# Altium PCB PCB_Amplifier.PcbDoc (part 1 of 2)
Units mm, origin at the board's own origin, x right, y up, seen from the top; angles counter-clockwise.
Board outline 88.51 x 102.08 mm, 4 copper layers (Top Layer, GND, VDD, Bottom Layer); 234 components, 166 nets, 733 pads, 363 vias.
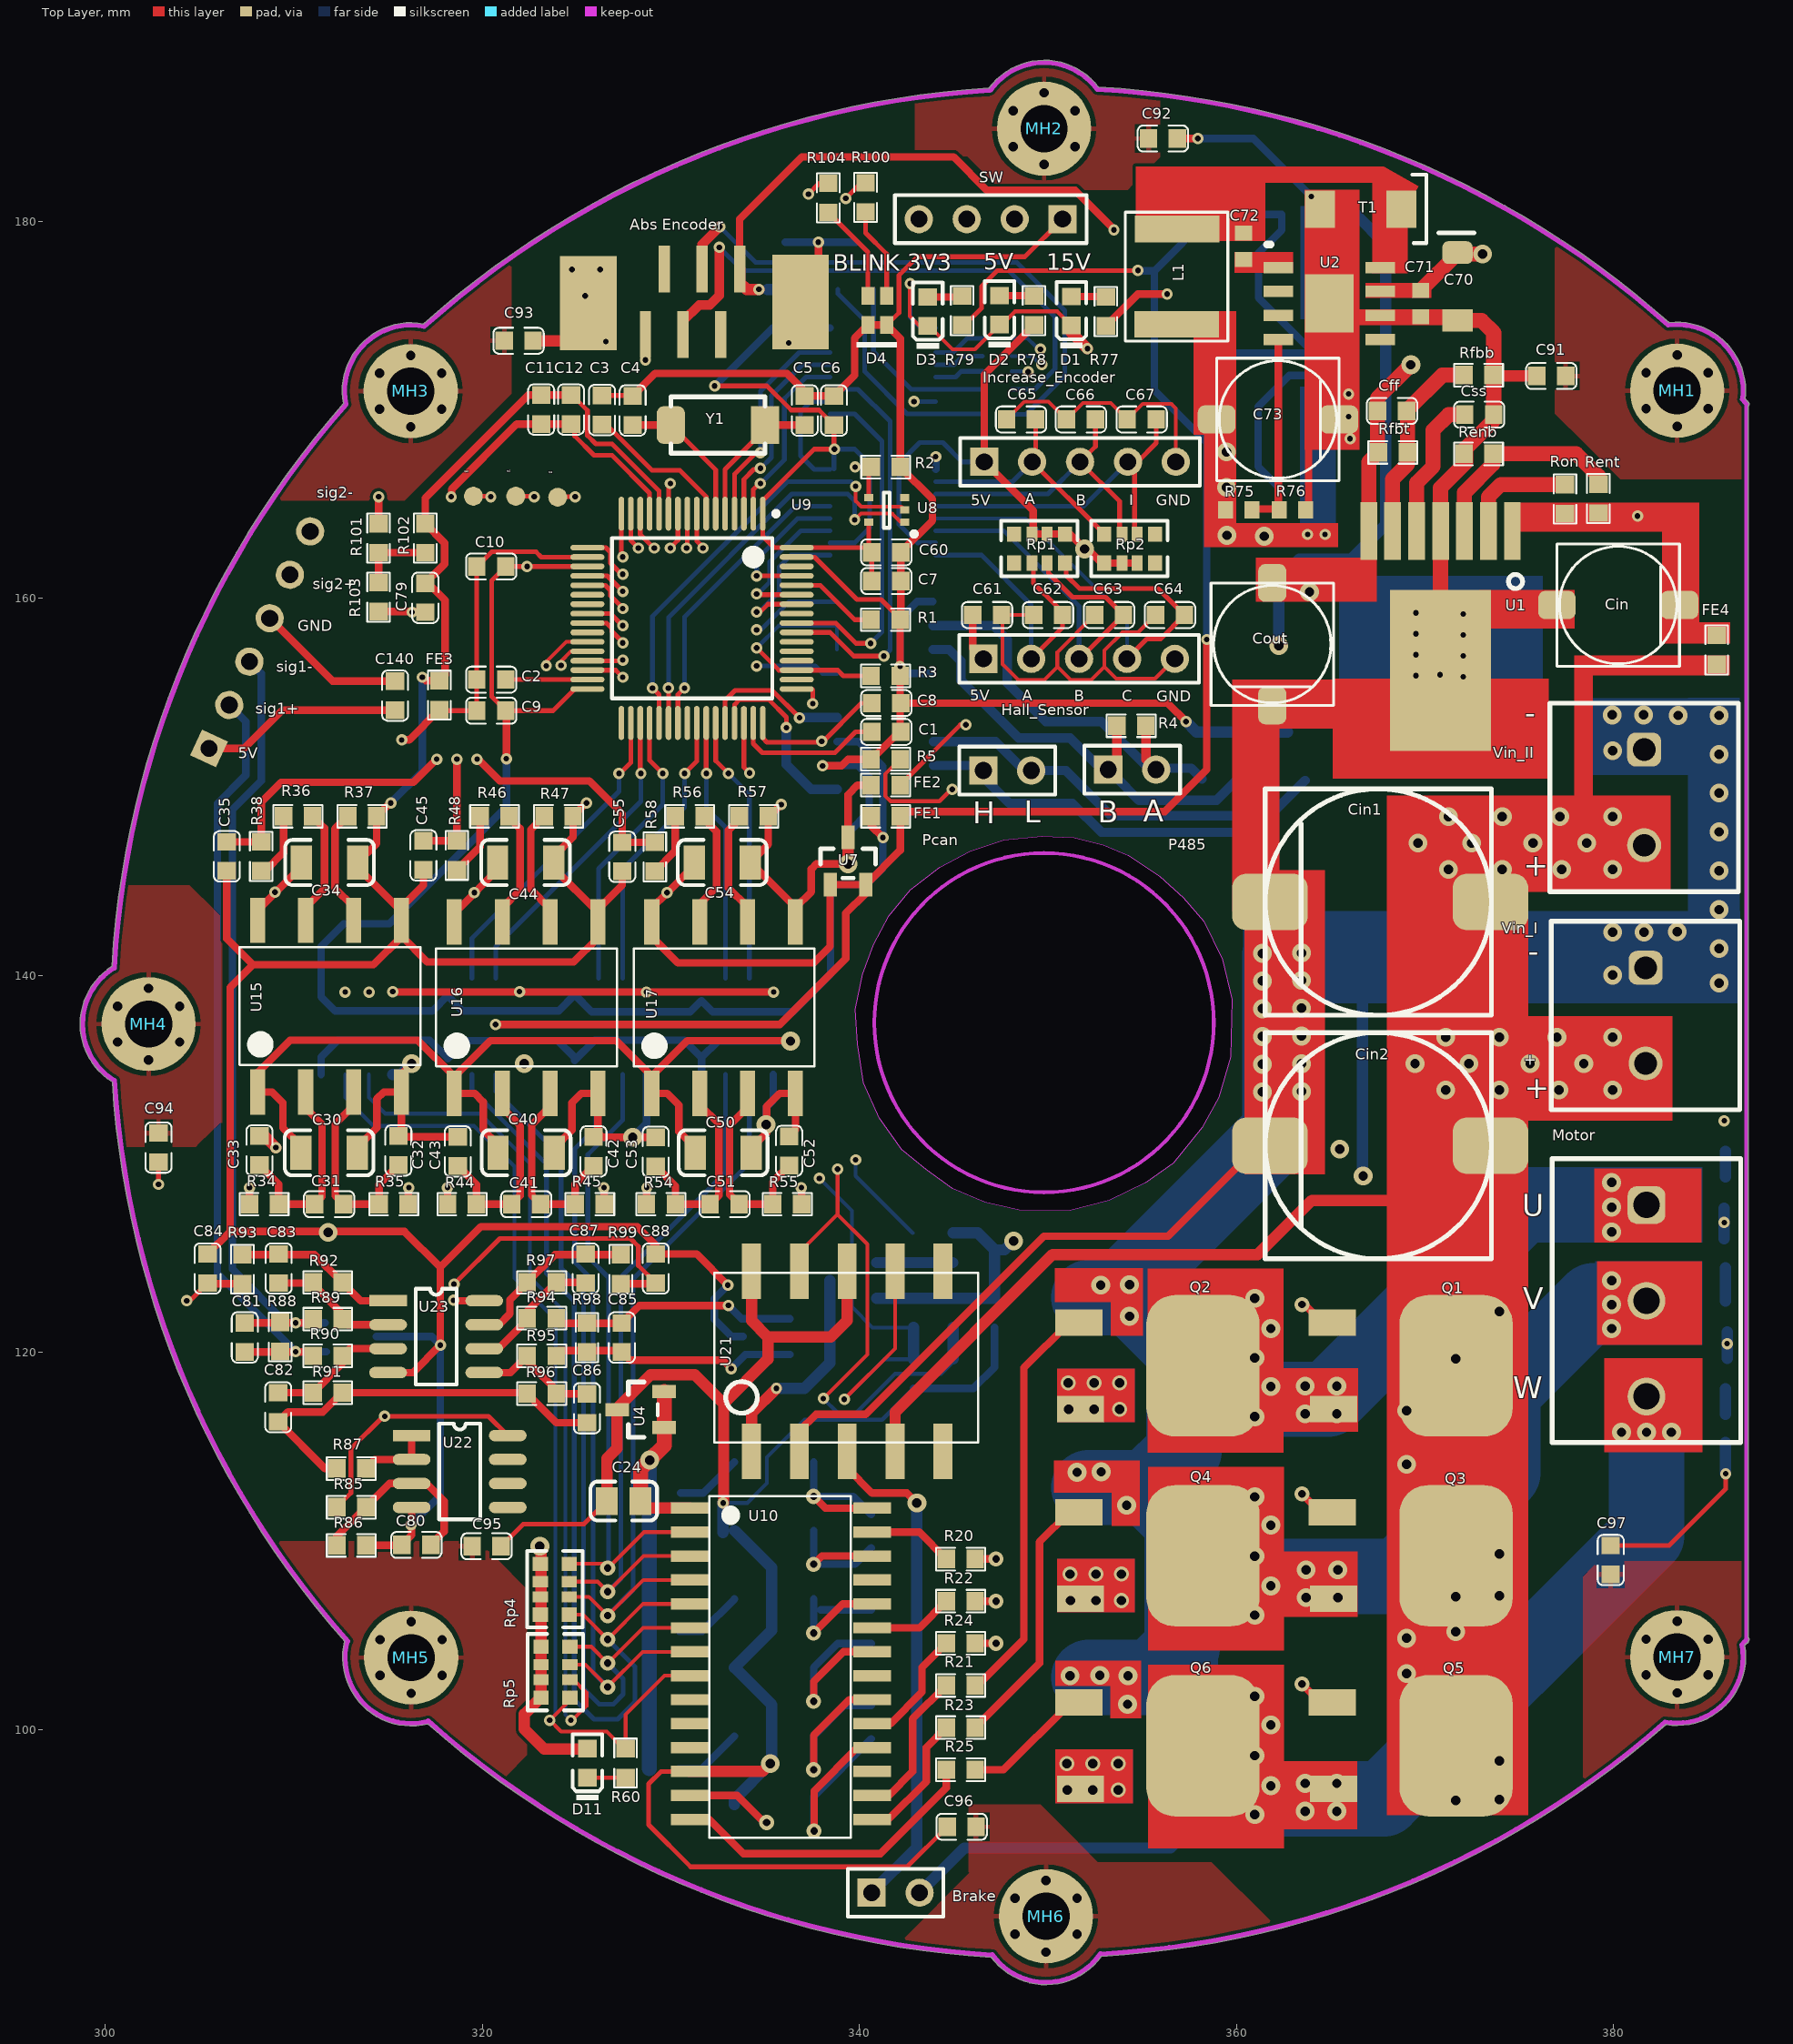
[diagram p0: Top Layer view]
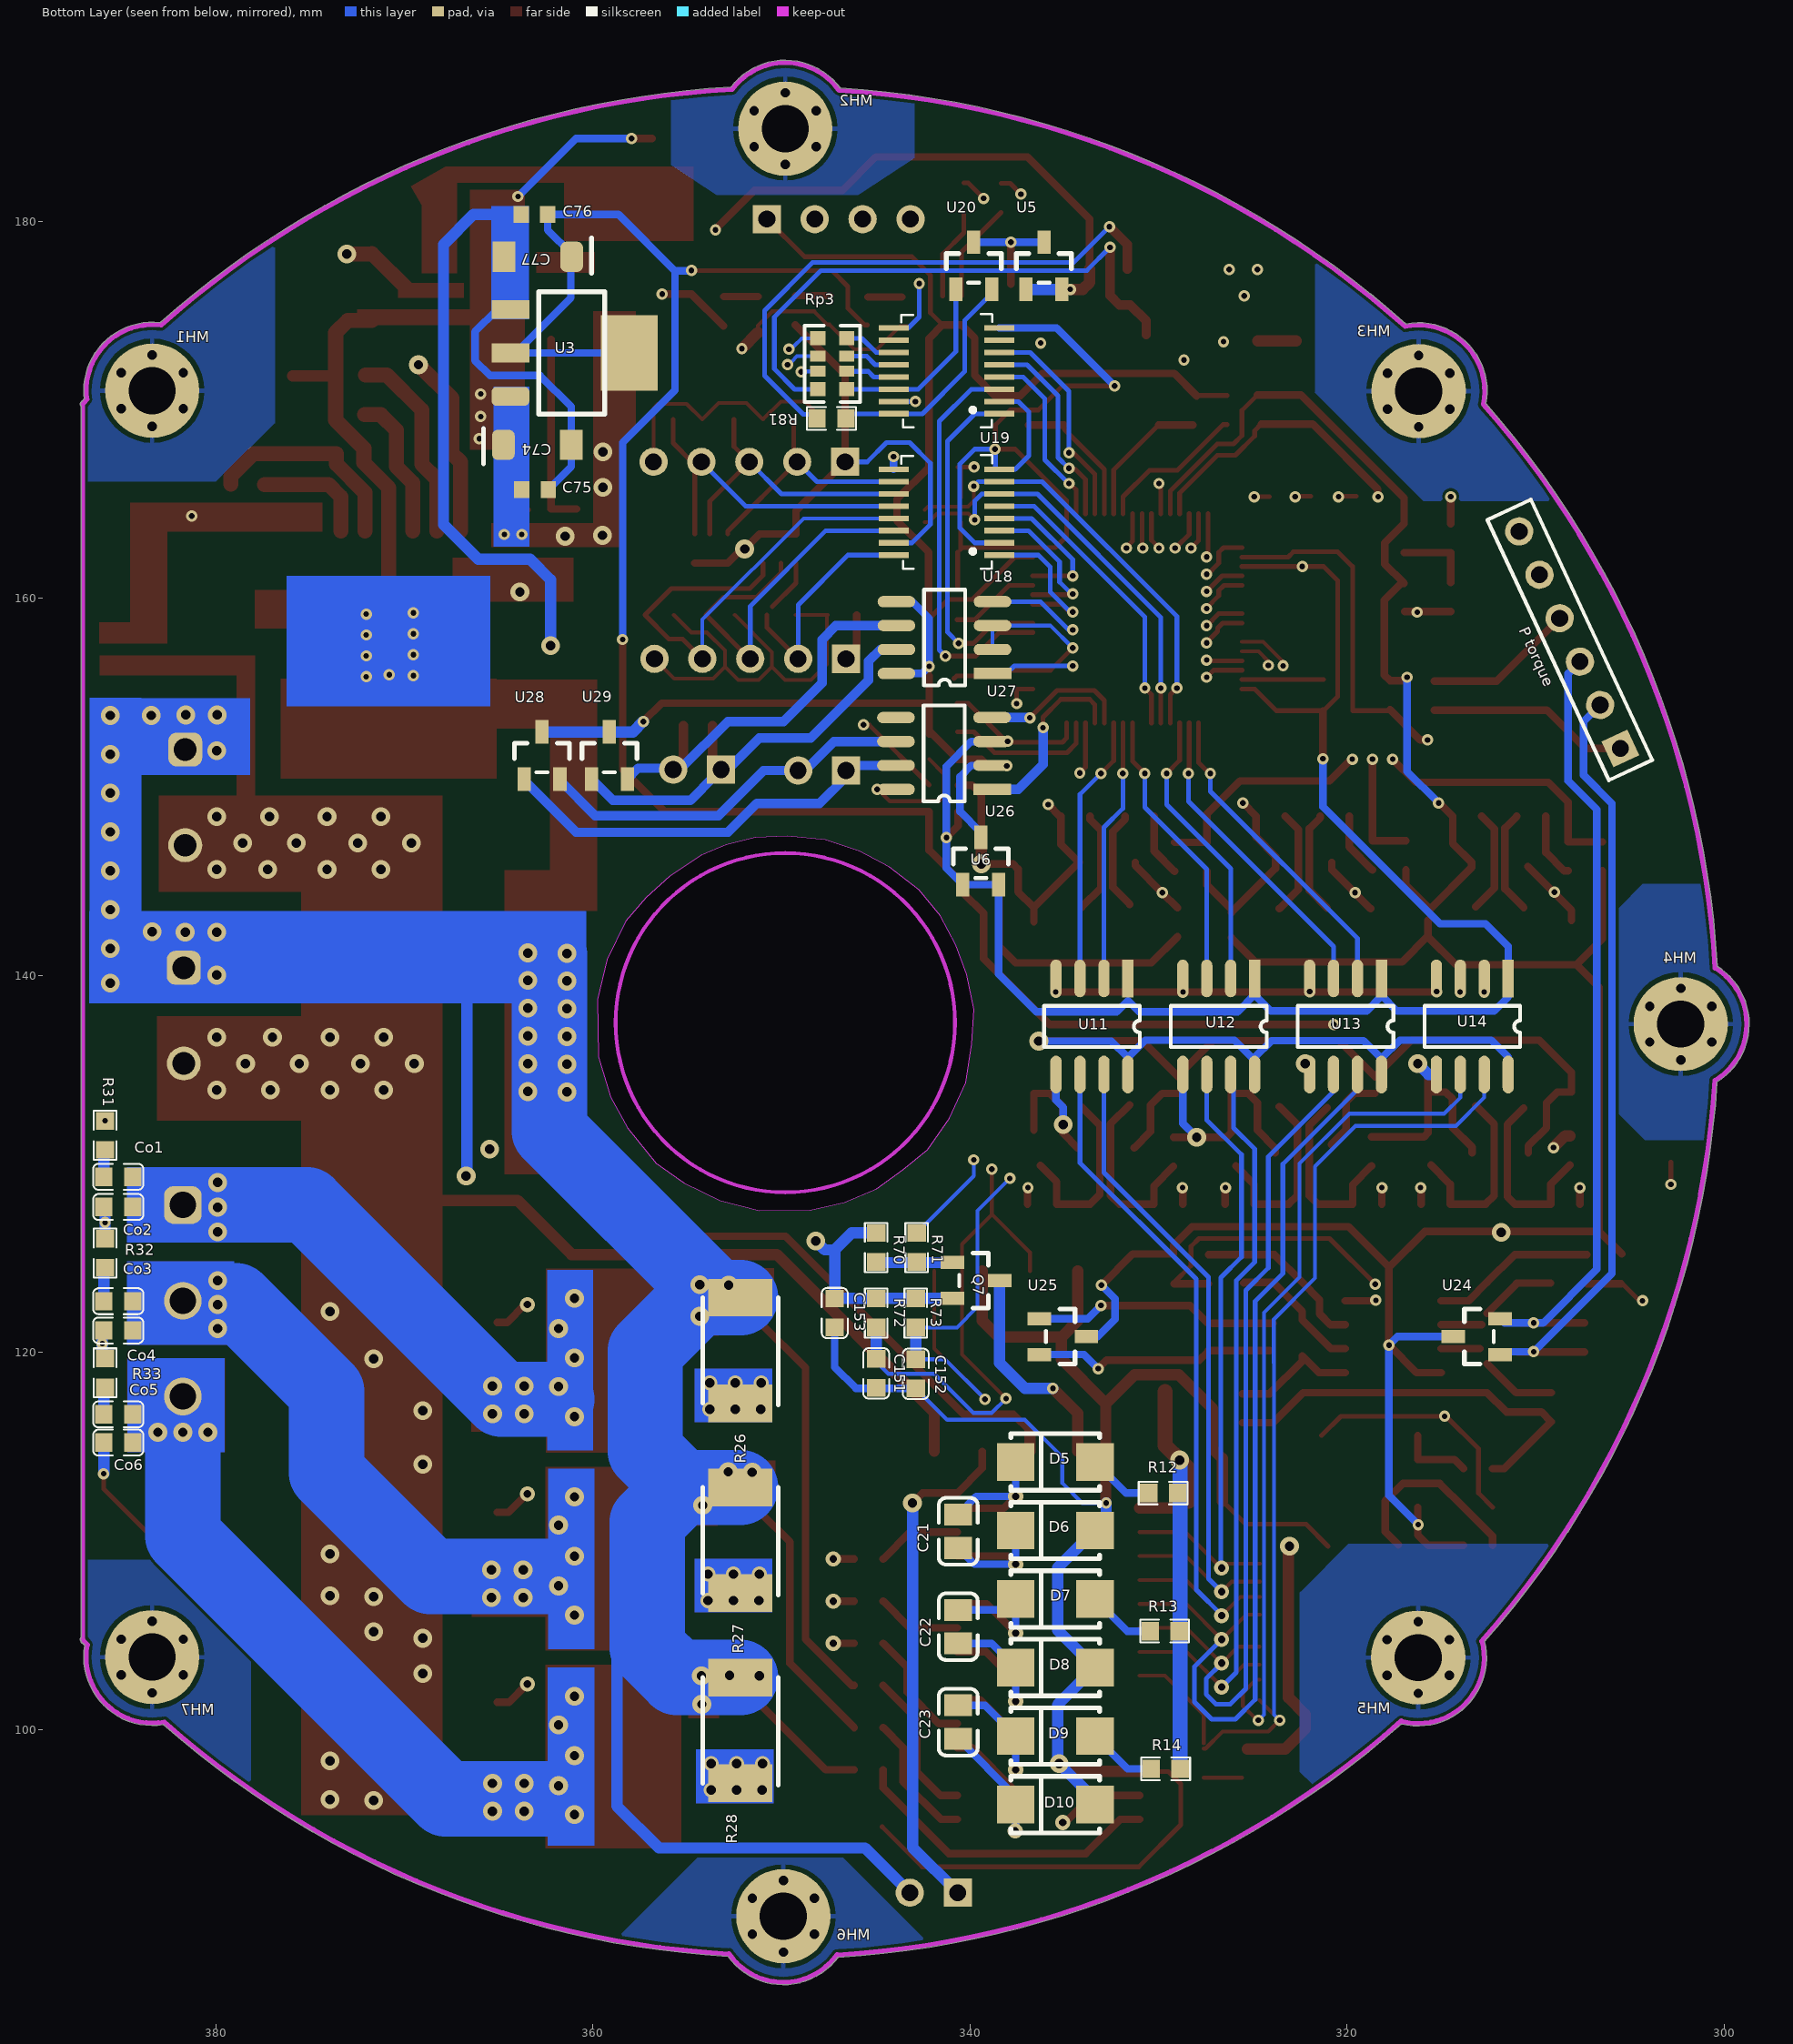
[diagram p1: Bottom Layer view, seen from below]
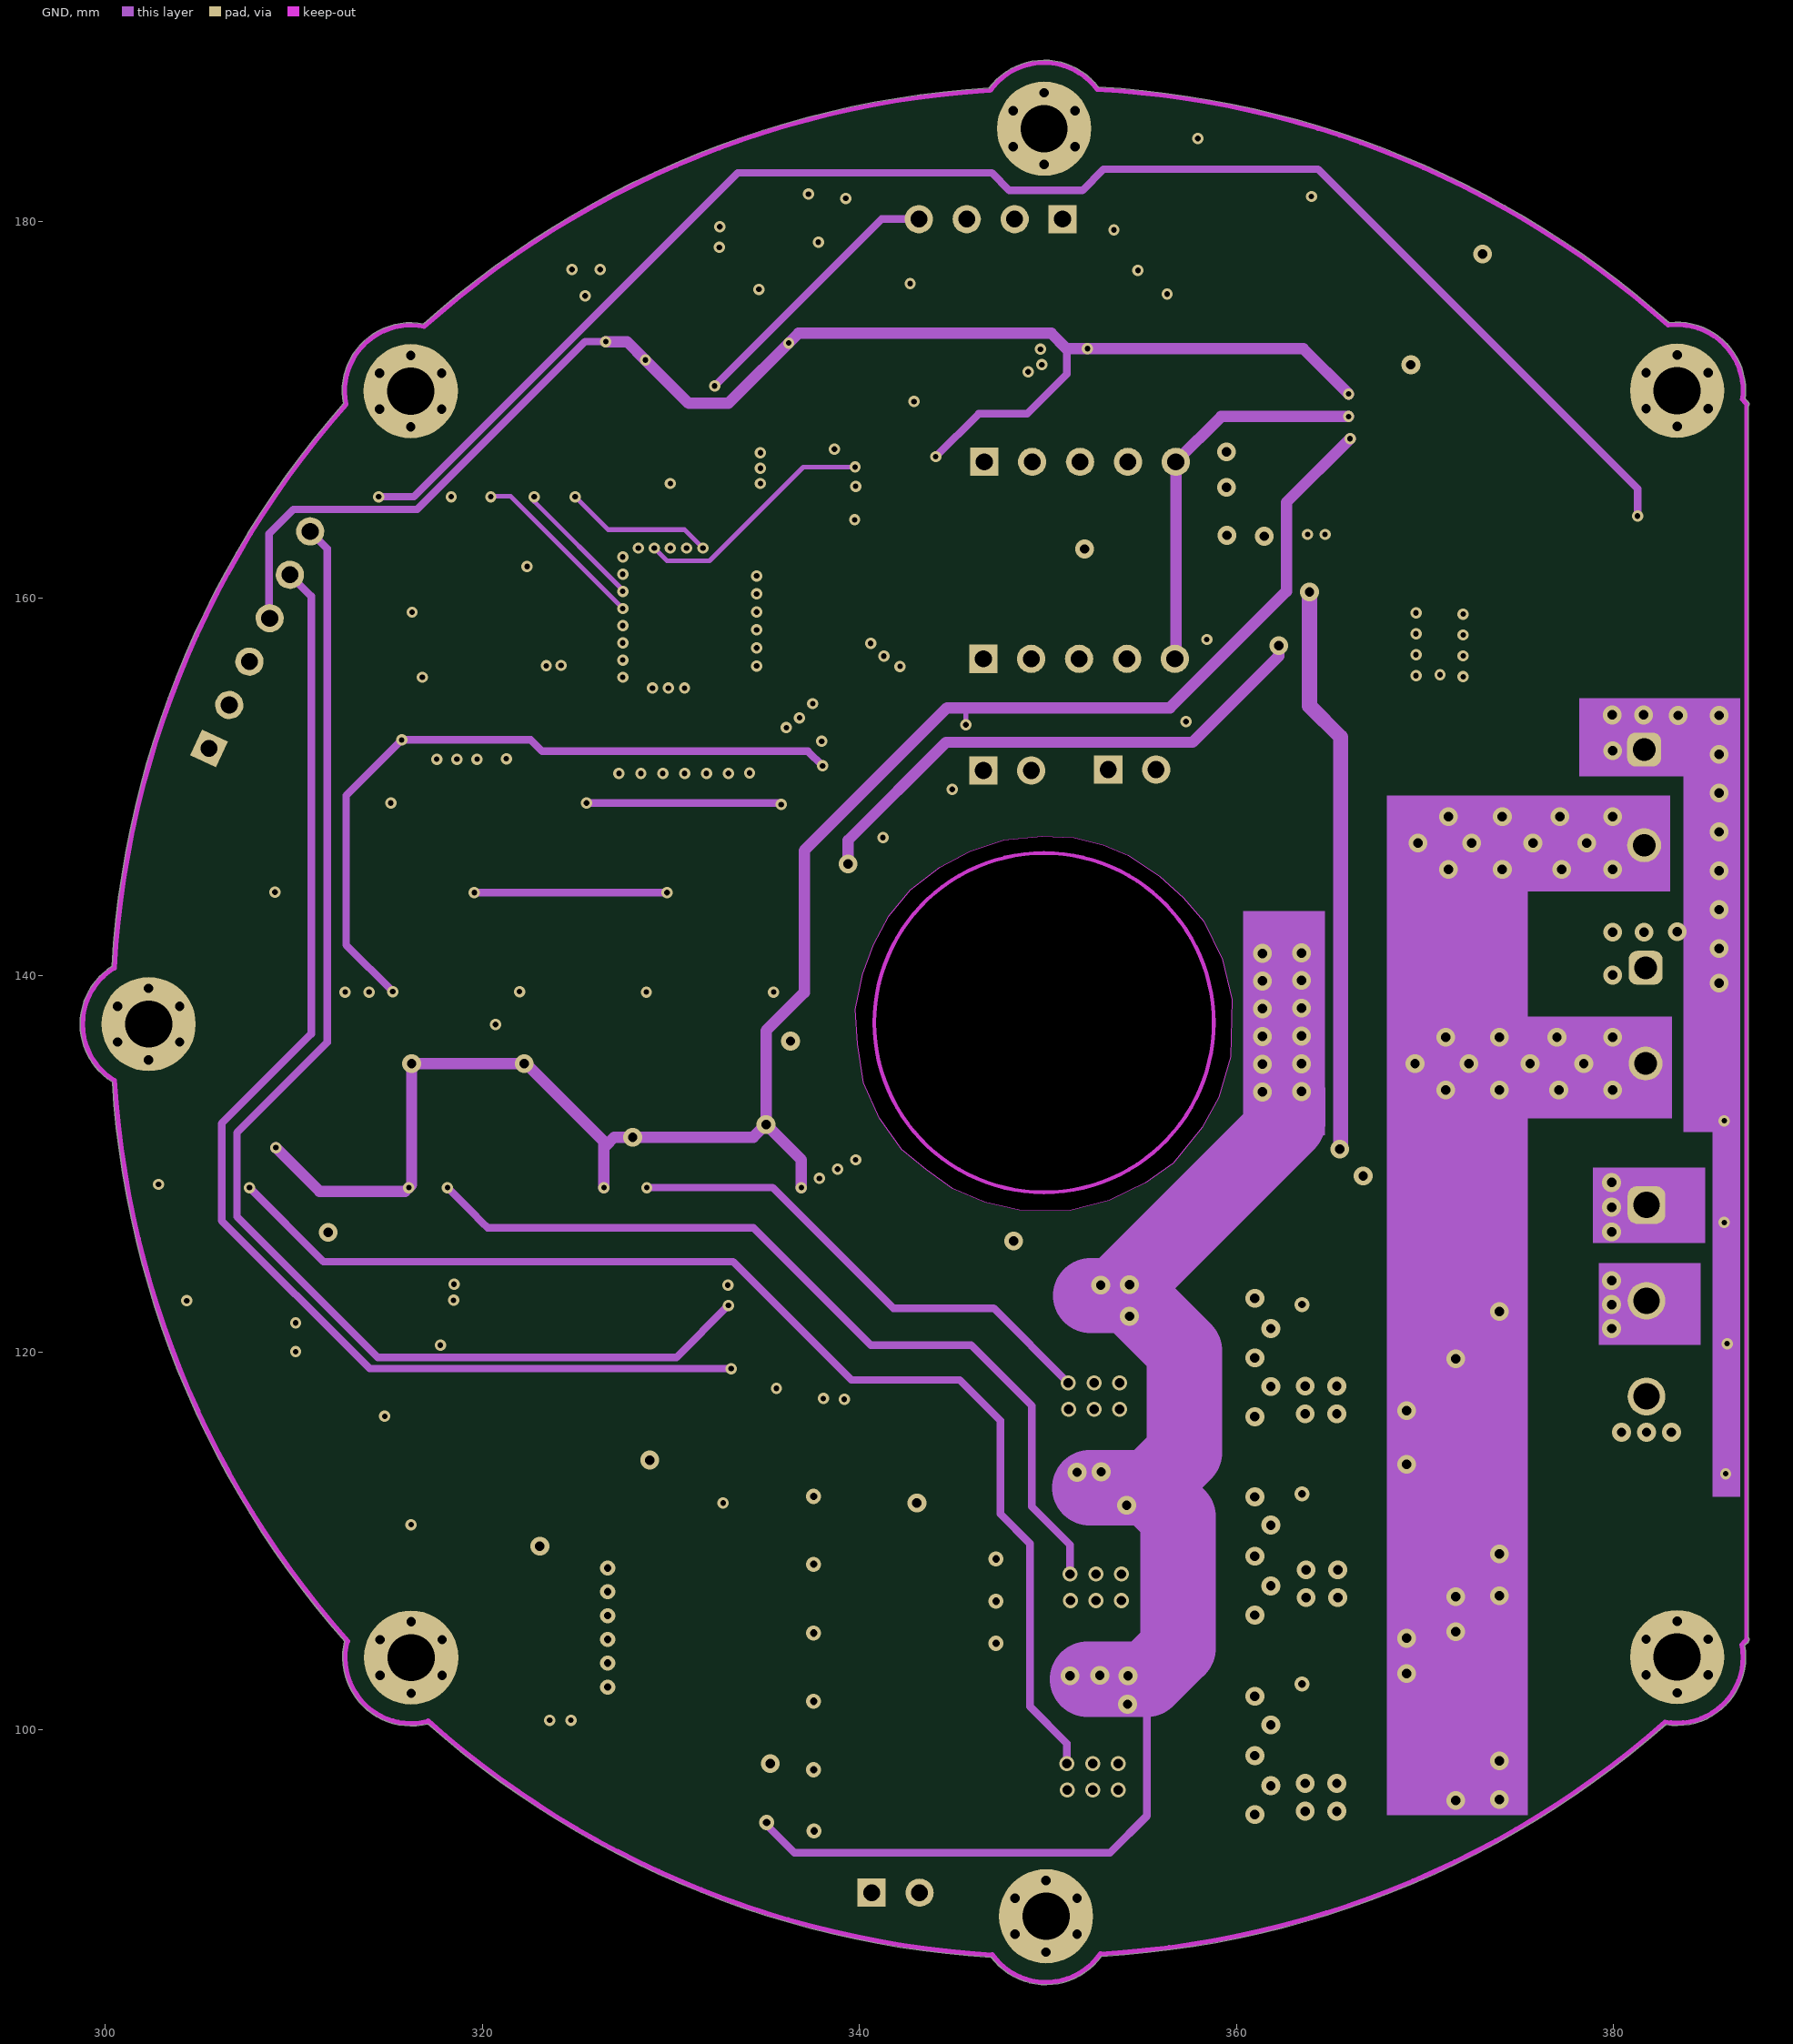
[diagram p2: GND]